# KiCad board traffic_paradise.kicad_pcb (continued)
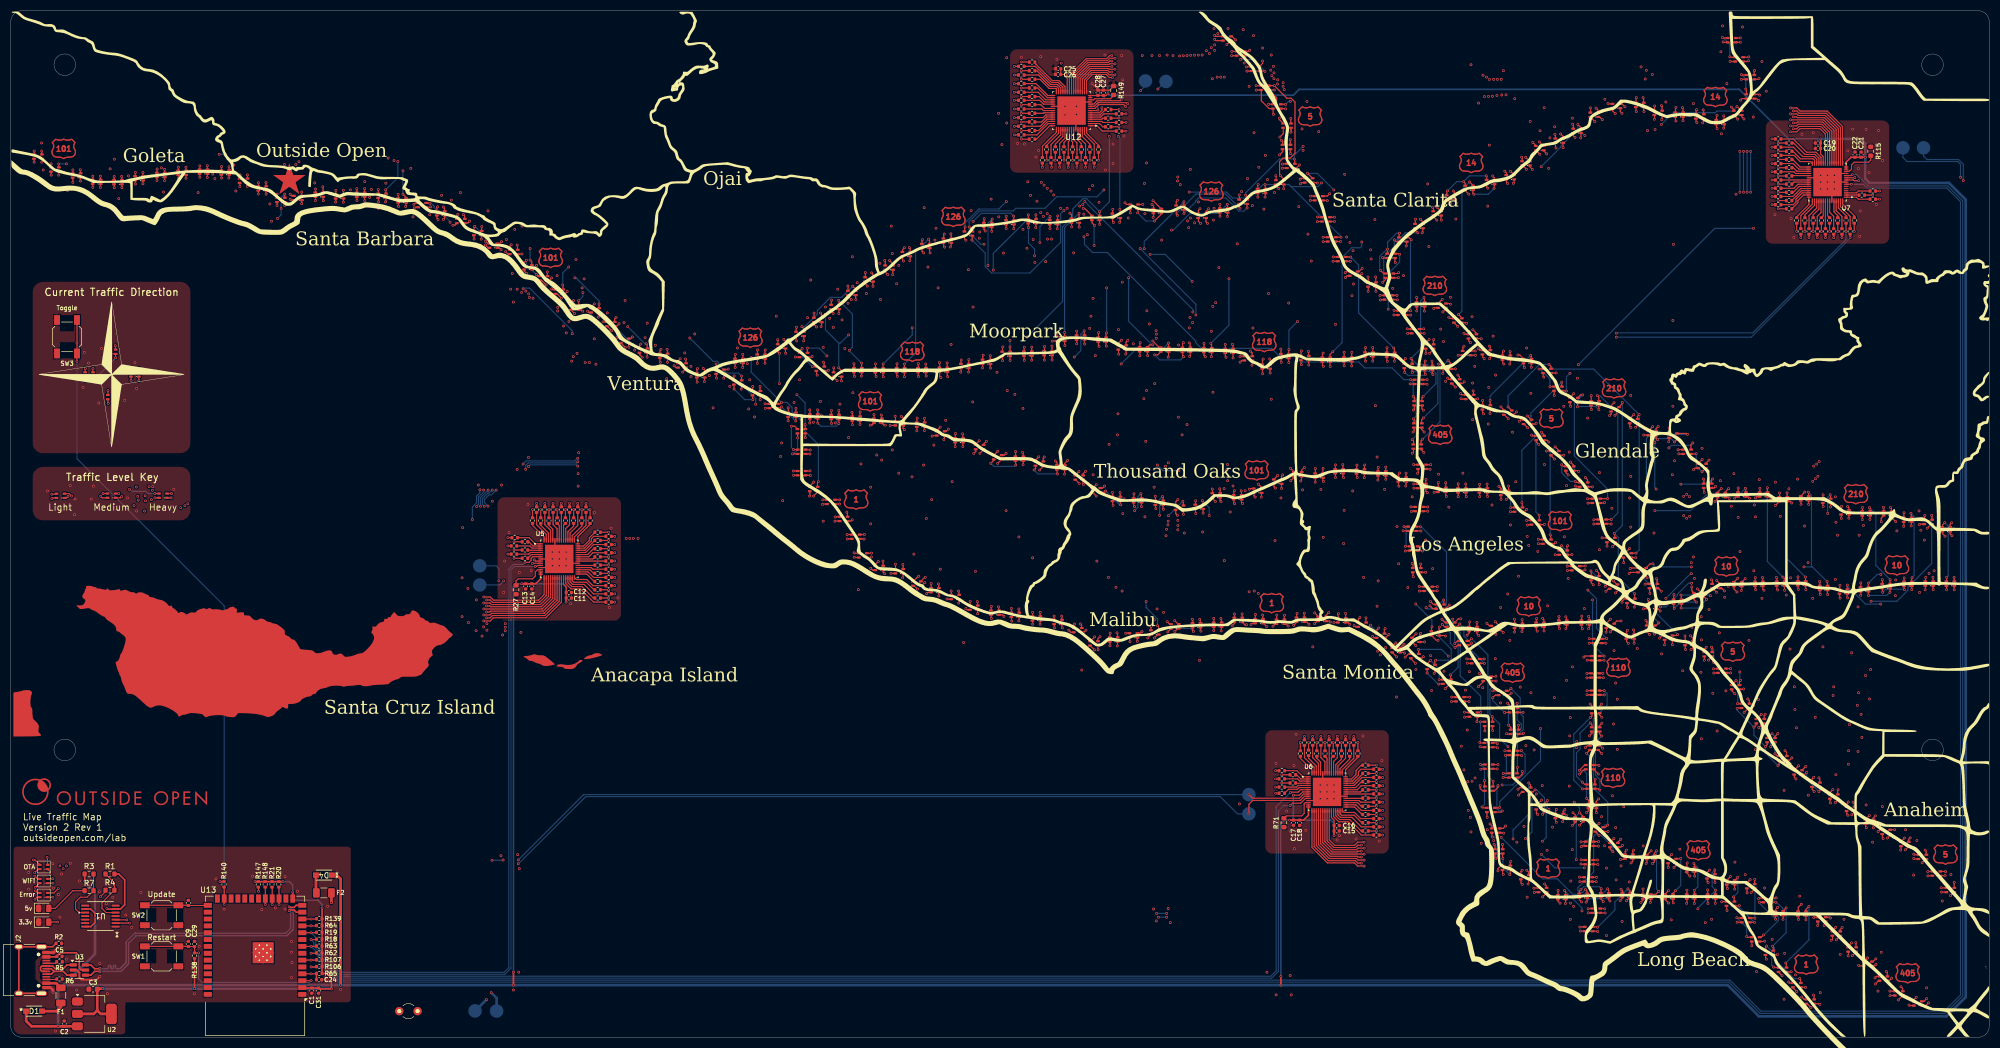
[diagram p0: board, top side]
## Routing (per net, layer and track width the routed paths; a pad name or vN(x,y) marks a point on that pad's centre or on a via; arc(x,y) is an arc through that point) (continued)
Net-(LED134-BK): length 144.8
  Top w0.203: v1(172.93,148.88) 172.8,148.75 172.8,148.05 ; 162,143.05 162,143.88 v1(161.9,143.97) ; v1(256.25,134.72) 256.31,134.67 257.01,134.67 ; v1(196.2,152.74) 196.5,152.44 196.5,151.75 ; v1(168.88,147.82) 168.8,147.75 168.8,147.05 ; v1(155.08,139.25) 155.1,139.22 155.1,138.35 ; 148.8,133.35 v1(148.8,134.22) ; v1(192.53,152.15) 192.5,152.12 192.5,151.45 ; 152,135.75 152,136.55 v1(152.08,136.62) ; R161.2 v1(199.1,161.25)
  In1.Cu w0.203: v1(196.2,152.74) 196.2,153.56 197.56,154.92 198.93,154.92 v1(198.96,154.89) ; v1(168.88,147.82) 165.51,144.46 162.39,144.46 v1(161.9,143.97) 161.9,143.34 159.45,140.89 158.71,140.89 158.34,140.52 156.35,140.52 v1(155.08,139.25) 154.7,139.25 v1(152.08,136.62) 151.2,136.62 v1(148.8,134.22)
  In2.Cu w0.203: v1(196.2,152.74) 193.11,152.74 v1(192.53,152.15) ; v1(199.1,161.25) 197.98,160.13 197.98,155.88 v1(198.96,154.89) ; v1(256.25,134.72) 255.68,134.72 255.68,134.72 255.38,134.42 v1(218.98,134.42) ; v1(168.88,147.82) 169.49,148.44 172.49,148.44 v1(172.93,148.88) 173.48,148.33 178.46,148.33 179.29,147.49 180.51,147.49 180.71,147.29 v1(190.64,147.29)
  Bottom w0.203: v1(190.64,147.29) 190.64,150.27 v1(192.53,152.15) ; v1(198.96,154.89) 218.98,134.87 v1(218.98,134.42)
Net-(LED134-GK): length 157.4
  Top w0.203: 192.5,150.65 v1(192.5,149.88) ; v1(173,146.45) 172.8,146.65 172.8,147.25 ; v1(256.23,133.88) 256.23,133.87 257.01,133.87 ; 168.8,146.25 168.8,145.68 v1(169.1,145.38) ; v1(152.35,134.15) 152,134.5 152,134.95 ; 196.5,150.95 196.5,150.22 v1(196.53,150.2) ; v1(162.45,141.35) 162,141.8 162,142.25 ; v1(149.25,131.65) 148.8,132.1 148.8,132.55 ; R160.2 v1(198.3,162.55) ; v1(155.7,136.72) 155.1,137.32 155.1,137.55
  In1.Cu w0.203: v1(188.24,146.24) 191.83,146.24 193.32,147.73 193.32,149.06 v1(192.5,149.88) ; v1(162.45,141.35) 162.45,141.17 159.93,138.65 157.62,138.65 v1(155.7,136.72) 154.93,136.72 v1(152.35,134.15) 151.8,134.15 149.3,131.65 v1(149.25,131.65) ; v1(198.59,154.35) 198.38,154.56 197.71,154.56 196.8,153.65 196.8,150.47 v1(196.53,150.2)
  In2.Cu w0.203: v1(256.23,133.88) v1(219.55,133.88) ; v1(162.45,141.35) 163.24,142.14 165.87,142.14 v1(169.1,145.38) 170.18,146.45 v1(173,146.45) 173.55,147 174.76,147 175.65,146.1 188.1,146.1 v1(188.24,146.24) 188.31,146.17 v1(209.22,146.17) ; v1(198.59,154.35) 197.43,155.51 197.43,160.45 198.3,161.33 v1(198.3,162.55) ; v1(192.5,149.88) 192.99,150.36 196.36,150.36 v1(196.53,150.2)
  Bottom w0.203: v1(209.22,146.17) 219.55,135.85 v1(219.55,133.88)
Net-(LED134-RK): length 152.6
  Top w0.203: 153.4,134.95 v1(153.4,134.12) ; 174.2,147.25 174.2,146.65 v1(174.03,146.47) ; v1(197.93,150.15) 197.9,150.18 197.9,150.95 ; v1(150.1,131.7) 150.2,131.8 150.2,132.55 ; 258.41,133.87 259.33,133.87 v1(259.35,133.85) ; 170.2,146.25 170.2,145.47 v1(170.3,145.38) ; R159.2 v1(197.5,161.25) ; 156.5,137.55 156.5,136.78 v1(156.55,136.72) ; 193.9,150.65 193.9,149.9 v1(193.85,149.85) ; 163.4,142.25 163.4,141.35 v1(163.38,141.32)
  In1.Cu w0.203: v1(198,154.05) 197.39,153.44 197.39,150.69 v1(197.93,150.15) ; v1(150.1,131.7) 150.98,131.7 v1(153.4,134.12) 153.95,134.12 v1(156.55,136.72) 158.78,136.72 v1(163.38,141.32) ; v1(218.46,133.42) 218.42,133.45 210.25,133.45 v1(193.85,149.85) 193.85,147.73 v1(189.72,143.6)
  In2.Cu w0.203: v1(189.72,143.6) 176.9,143.6 v1(174.03,146.47) 172.9,145.35 170.33,145.35 v1(170.3,145.38) 166.25,141.32 v1(163.38,141.32) ; v1(197.93,150.15) 197.46,149.69 194.01,149.69 v1(193.85,149.85) ; v1(259.35,133.85) 258.84,133.34 218.53,133.34 v1(218.46,133.42) ; v1(198,154.05) 197.06,154.99 197.06,160.81 v1(197.5,161.25)
Net-(LED135-BK): length 196.9
  Top w0.203: 259.55,131.26 258.71,131.26 v1(258.68,131.3) ; 184.4,151.45 v1(184.4,152.18) ; 259.85,109.88 259.85,110.5 v1(259.6,110.75) ; 260.72,106.12 259.91,106.12 v1(259.88,106.15) ; 260.11,121.87 259.33,121.87 v1(259.32,121.88) ; v1(142.08,129.28) 142.1,129.25 142.1,128.45 ; 260.01,117.9 260.01,118.59 v1(259.8,118.8) ; v1(259.85,114.62) 259.96,114.52 259.96,113.79 ; 180.3,150.95 180.3,151.7 v1(180.33,151.72) ; R158.2 v1(201.5,162.55)
  In1.Cu w0.203: v1(259.6,110.75) 260.17,110.18 260.17,106.44 v1(259.88,106.15) ; v1(258.68,131.3) 258.22,130.84 258.22,126.75 258.88,126.09 258.88,125.35 260.21,124.02 260.21,122.76 v1(259.32,121.88) ; v1(184.4,152.18) 183.94,152.64 181.24,152.64 v1(180.33,151.72) 170.88,151.72 165.99,146.84 162.69,146.84 157.28,141.43 154.56,141.43 142.69,129.56 142.69,129.28 v1(142.08,129.28)
  In2.Cu w0.203: v1(201.5,162.55) 201.5,161.33 199.07,158.89 199.07,156.54 200.2,155.4 200.2,150.25 198.4,148.45 185.13,148.45 183.6,149.98 183.6,151.38 v1(184.4,152.18) ; 198.7,148.75 198.8,148.65 v1(198.8,148.36)
  Bottom w0.203: v1(198.8,148.36) 198.9,148.26 198.9,146.95 200.4,145.45 203.12,145.45 219.5,129.07 219.5,128.75 220.7,127.55 225.7,127.55 225.84,127.69 233.56,127.69 235.1,126.15 238.3,126.15 239.3,125.15 249.7,125.15 250.8,124.05 255.9,124.05 258.07,121.88 v1(259.32,121.88) 259.8,121.4 v1(259.8,118.8) 260.35,118.25 260.35,115.12 v1(259.85,114.62) 260.34,114.14 260.34,111.49 v1(259.6,110.75)
Net-(LED135-GK): length 246.5
  Top w0.203: v1(259.23,121.1) 259.26,121.07 260.11,121.07 ; 259.85,109.08 259.85,108.48 v1(259.62,108.25) ; 260.72,105.32 260.72,104.64 v1(260.6,104.53) ; 184.4,150.65 v1(184.4,149.9) ; 259.96,112.99 259.96,112.35 v1(259.77,112.18) ; 259.55,130.46 258.79,130.46 v1(258.77,130.45) ; 260.01,117.1 260.01,116.43 v1(259.82,116.25) ; 142.1,127.65 142.1,127.05 v1(142.38,126.78) ; v1(180.51,149.44) 180.3,149.65 180.3,150.15 ; R157.2 v1(200.7,161.25)
  In1.Cu w0.203: v1(216.29,114.92) 216.29,116.75 v1(211.91,121.14) ; v1(260.6,104.53) 259.29,105.84 259.29,107.91 v1(259.62,108.25) 259.05,108.82 259.05,111.45 v1(259.77,112.18) 260.37,112.77 260.37,115.7 v1(259.82,116.25) 259.23,116.85 v1(259.23,121.1) 259.36,121.1 260.57,122.32 260.57,128.65 v1(258.77,130.45) ; v1(142.38,126.78) 144.05,128.45 160.1,128.45 171.42,139.77 171.83,139.77 180.51,148.45 v1(180.51,149.44) 180.97,149.9 v1(184.4,149.9)
  In2.Cu w0.203: v1(216.29,114.92) 257.03,114.92 v1(259.77,112.18) ; v1(184.4,149.9) 185.49,148.81 198.25,148.81 199.84,150.4 199.84,155.25 198.7,156.39 198.7,159.25 v1(200.7,161.25) ; v1(211.91,121.14) v1(142.38,121.14)
  Bottom w0.203: v1(142.38,126.78) v1(142.38,121.14)
Net-(LED135-RK): length 230
  Top w0.203: 260.95,130.46 261.81,130.46 v1(261.82,130.45) ; R156.2 v1(199.9,162.55) ; 261.41,117.1 261.41,116.49 v1(261.68,116.23) ; 261.51,121.07 262.33,121.07 v1(262.38,121.03) ; 262.12,105.32 262.86,105.32 v1(262.93,105.25) ; 185.8,150.65 v1(185.8,149.85) ; v1(143.55,126.78) 143.5,126.83 143.5,127.65 ; 261.25,109.08 261.25,108.9 v1(261.77,108.38) ; v1(261.82,112.18) 261.36,112.65 261.36,112.99 ; v1(181.73,149.38) 181.7,149.4 181.7,150.15
  In1.Cu w0.203: 261.94,108.38 261.94,106.23 v1(262.93,105.25) ; 261.94,108.38 v1(261.77,108.38) ; 261.94,108.38 262.11,108.54 262.11,111.89 v1(261.82,112.18) 261.15,112.85 261.15,115.7 v1(261.68,116.23) 262.38,116.93 v1(262.38,121.03) 261.1,122.3 261.1,129.72 v1(261.82,130.45) ; v1(184.59,119.86) 184.59,128.19 184.86,128.46 185.24,128.46 186.55,129.78 186.55,148.49 185.8,149.24 v1(185.8,149.85) 185.33,149.38 v1(181.73,149.38) 181.33,149.38 180.88,148.93 180.88,148.3 171.98,139.4 171.57,139.4 158.96,126.79 143.57,126.79 v1(143.55,126.78) ; v1(210.4,119.86) 216.98,113.28 v1(216.98,111.64)
  In2.Cu w0.203: v1(199.9,162.55) 199.9,160.96 198.34,159.4 198.34,156.24 199.47,155.1 199.47,150.55 198.1,149.18 186.47,149.18 v1(185.8,149.85) ; v1(210.4,119.86) v1(184.59,119.86) ; v1(261.82,112.18) 261.29,111.64 v1(216.98,111.64)
Net-(LED136-BK): length 138.4
  Top w0.203: R176.2 v1(185.9,167.25) ; v1(262.02,125.33) 261.94,125.24 261.94,124.46 ; 242.99,125.98 242.99,126.69 v1(243.1,126.8) ; v1(258.35,125.78) 258.18,125.6 258.18,124.81 ; 262.14,128.42 262.14,128.71 v1(262.75,129.32) ; 265.34,124.66 264.59,124.66 v1(264.48,124.78) ; v1(250.98,127.83) 250.91,127.76 250.91,126.95 ; v1(269.2,128.07) 269,127.87 269,127.2 ; 247,126.03 v1(247,126.97) ; 254.93,126.9 254.93,127.78 v1(254.95,127.8)
  In1.Cu w0.203: v1(258.35,125.78) 256.98,125.78 v1(254.95,127.8) ; v1(193.21,156.12) 193.51,155.81 217.09,155.81 218.51,154.39 v1(218.51,151.84) ; v1(264.48,124.78) 262.57,124.78 v1(262.02,125.33) 262.13,125.33 263.35,126.54 263.35,128.72 v1(262.75,129.32) ; v1(247,126.98) 246.41,127.56 243.86,127.56 v1(243.1,126.8)
  In2.Cu w0.203: v1(218.51,151.84) 217.8,151.84 216.7,150.74 216.7,130.85 218,129.55 240.56,129.55 243.1,127.01 v1(243.1,126.8) ; v1(262.75,129.32) 264,128.07 v1(269.2,128.07) ; v1(254.95,127.8) 254.44,127.29 251.51,127.29 v1(250.98,127.83) 247.85,127.83 v1(247,126.98) ; v1(193.21,156.12) 193.28,156.19 193.28,157.83 185.9,165.21 v1(185.9,167.25) ; v1(258.35,125.78) 258.87,125.26 261.96,125.26 v1(262.02,125.33)
Net-(LED136-GK): length 141.2
  Top w0.203: 247,125.23 v1(247,124.45) ; 250.91,126.15 250.91,125.39 v1(251,125.3) ; 262.14,127.62 262.14,126.74 v1(262.15,126.73) ; 254.93,126.1 254.93,125.35 v1(255,125.28) ; 265.34,123.86 265.34,123.11 v1(265.27,123.05) ; 242.99,125.18 242.99,124.51 v1(243.15,124.35) ; 269,126.4 v1(268.13,126.4) ; R175.2 v1(187.2,168.05) ; v1(258.23,123.25) 258.18,123.3 258.18,124.01 ; v1(262.05,122.88) 261.94,122.99 261.94,123.66
  In1.Cu w0.203: 265.27,123.43 265.27,123.55 v1(268.12,126.4) ; 265.27,123.43 v1(265.27,123.05) ; 265.27,123.43 262.6,123.43 ; v1(218,151.31) 218.76,151.31 219.03,151.58 219.03,154.38 217.24,156.18 193.87,156.18 193.21,156.84 v1(192.7,156.84) ; v1(243.15,124.35) 243.67,124.87 246.58,124.87 v1(247,124.45) 247.85,125.3 v1(251,125.3) 251.59,125.89 254.39,125.89 v1(255,125.28) 257.02,123.25 v1(258.23,123.25) ; 262.6,123.43 v1(262.05,122.88) ; 262.6,123.43 261.46,124.56 261.46,126.04 v1(262.15,126.73)
  In2.Cu w0.203: v1(243.15,124.35) 243.61,124.81 243.61,127.01 240.71,129.91 218.15,129.91 217.1,130.96 217.1,150.55 217.86,151.31 v1(218,151.31) ; v1(192.7,156.84) 192.7,157.9 185.39,165.21 185.39,167.46 185.98,168.05 v1(187.2,168.05)
  Bottom w0.203: v1(258.23,123.25) 258.78,122.69 261.87,122.69 v1(262.05,122.88)
Net-(LED136-RK): length 147.9
  Top w0.203: 259.58,124.01 259.58,123.3 v1(259.65,123.23) ; v1(244.43,124.33) 244.39,124.36 244.39,125.18 ; v1(262.82,126.78) 263.54,127.49 263.54,127.62 ; v1(252.3,125.33) 252.31,125.34 252.31,126.15 ; 270.4,126.4 v1(271.32,126.4) ; 263.34,123.66 263.34,122.94 v1(263.45,122.83) ; v1(248.4,124.43) 248.4,125.23 ; R174.2 v1(185.9,168.85) ; 256.33,126.1 v1(256.33,125.3) ; v1(267.6,123.88) 267.59,123.86 266.74,123.86
  In1.Cu w0.203: v1(267.6,123.88) 268.8,123.88 v1(271.32,126.4) ; v1(219.3,150.95) 219.39,151.04 219.39,154.53 217.39,156.54 194.2,156.54 193.39,157.35 v1(192,157.35) ; v1(256.32,125.3) 257.57,125.3 v1(259.65,123.23)
  In2.Cu w0.203: 244.43,125.71 244.43,126.71 240.86,130.28 218.3,130.28 217.5,131.08 217.5,150.44 217.86,150.8 219.15,150.8 v1(219.3,150.95) ; 244.43,125.71 247.11,125.71 v1(248.4,124.43) 251.4,124.43 v1(252.3,125.33) 252.87,124.76 255.78,124.76 v1(256.32,125.3) ; 244.43,125.71 v1(244.43,124.33) ; v1(185.9,168.85) 185.03,167.98 185.03,165.06 192,158.09 v1(192,157.35) ; v1(271.32,126.4) 270.75,126.97 263.02,126.97 v1(262.82,126.78) ; v1(267.6,123.88) 264.5,123.88 v1(263.45,122.83)
  Bottom w0.203: v1(263.45,122.83) 262.83,123.44 259.87,123.44 v1(259.65,123.23)
Net-(LED145-BK): length 173.8
  Top w0.203: 241.67,104.49 241.67,105.39 v1(241.68,105.4) ; v1(253.32,105.62) 253.3,105.6 253.3,104.9 ; v1(237.08,105.45) 237.7,104.82 237.7,104.75 ; 249.34,105.26 249.34,106.01 v1(249.38,106.05) ; 260.72,102.56 259.91,102.56 v1(259.9,102.55) ; v1(257.27,104.58) 257.06,104.36 257.06,103.78 ; v1(245.4,106.08) 245.38,106.05 245.38,105.31 ; 111.25,86.75 v1(111.89,86.75) ; 234,103.38 234,103.42 v1(234.7,104.12) ; 230.29,101.7 229.55,101.7 v1(229.43,101.58)
  In1.Cu w0.203: v1(214.4,95.65) 214.88,95.17 215.57,95.17 v1(216.2,95.8) ; v1(237.08,105.45) 236.03,105.45 v1(234.7,104.12) 232.15,101.58 v1(229.43,101.58) ; v1(253.32,105.62) 253.15,105.45 249.98,105.45 v1(249.38,106.05) 248.93,105.6 245.87,105.6 v1(245.4,106.08) 242.35,106.08 v1(241.68,105.4) ; v1(259.9,102.55) 259.3,102.55 v1(257.27,104.58)
  In2.Cu w0.203: v1(241.68,105.4) 241.31,105.03 237.49,105.03 v1(237.08,105.45) ; v1(216.2,95.8) 216.34,95.65 227.41,95.65 229.43,97.67 v1(229.43,101.58) ; v1(214.4,95.65) 192.44,95.65 187.51,90.72 171.5,90.72 165.41,84.64 160.35,84.64 156.9,88.09 155.65,88.09 154.1,89.63 114.78,89.63 v1(111.89,86.75) ; v1(257.27,104.58) 254.38,104.58 v1(253.32,105.62)
Net-(LED145-GK): length 174.2
  Top w0.203: v1(245.4,103.75) 245.38,103.77 245.38,104.51 ; R47.2 v1(110.74,85.98) ; 257.06,102.98 257.06,102.24 v1(257.15,102.15) ; 237.7,103.95 237.7,103.73 v1(237.12,103.15) ; 253.3,104.1 253.3,103.33 v1(253.25,103.28) ; v1(249.43,103.75) 249.34,103.84 249.34,104.46 ; v1(234.28,101.78) 234,102.05 234,102.58 ; 241.67,103.69 241.67,102.89 v1(241.65,102.88) ; 230.29,100.9 230.29,100.36 v1(230.53,100.12) ; 260.72,101.76 259.94,101.76 v1(259.93,101.78)
  In1.Cu w0.203: v1(230.53,100.12) 231.09,100.69 233.19,100.69 v1(234.28,101.78) 235.65,103.15 v1(237.12,103.15) ; v1(241.65,102.88) 242.02,102.5 244.15,102.5 v1(245.4,103.75) 245.95,103.2 248.87,103.2 v1(249.43,103.75) 249.99,103.18 253.16,103.18 v1(253.25,103.28) ; v1(216.2,94.85) 216.16,94.81 214.52,94.81 v1(214.37,94.96) ; v1(257.15,102.15) 257.72,101.58 259.73,101.58 v1(259.93,101.78)
  In2.Cu w0.203: v1(241.65,102.88) 240.52,104 237.98,104 v1(237.12,103.15) ; v1(110.74,85.98) 112.26,85.98 115.55,89.27 153.95,89.27 155.5,87.72 156.75,87.72 160.2,84.28 165.56,84.28 171.65,90.36 187.66,90.36 192.59,95.29 214.04,95.29 v1(214.37,94.96) ; v1(216.2,94.85) 216.2,94.95 216.54,95.29 227.56,95.29 230.53,98.25 v1(230.53,100.12) ; v1(253.25,103.28) 254.38,102.15 v1(257.15,102.15)
Net-(LED145-RK): length 174.4
  Top w0.203: 235.4,102.58 235.4,101.73 v1(235.4,101.73) ; 231.69,100.9 231.69,100.14 v1(231.65,100.1) ; 250.74,104.46 250.74,103.71 v1(250.73,103.7) ; v1(243.18,103.03) 243.07,103.13 243.07,103.69 ; v1(254.73,103.43) 254.7,103.45 254.7,104.1 ; 258.46,102.98 258.46,102.21 v1(258.43,102.18) ; v1(246.9,103.73) 246.78,103.85 246.78,104.51 ; 262.12,101.76 262.12,101.23 v1(262.43,100.93) ; 111.25,85.22 v1(111.89,85.22) ; v1(238.98,103.1) 239.1,103.23 239.1,103.95
  In1.Cu w0.203: v1(258.43,102.18) 257.18,103.43 v1(254.73,103.43) ; v1(246.9,103.73) 247.49,104.31 250.11,104.31 v1(250.73,103.7) ; v1(214.1,94.15) 214.4,94.45 215.8,94.45 v1(216.2,94.05) ; v1(238.98,103.1) 239.3,103.43 242.77,103.43 v1(243.18,103.03)
  In2.Cu w0.203: v1(258.43,102.18) 259.68,100.93 v1(262.43,100.93) ; v1(250.73,103.7) 251.22,104.19 253.96,104.19 v1(254.73,103.43) ; v1(238.98,103.1) 237.6,101.73 v1(235.4,101.73) 233.78,100.1 v1(231.65,100.1) 231.65,98.86 227.71,94.92 217.07,94.92 v1(216.2,94.05) ; v1(214.1,94.15) 213.33,94.92 192.74,94.92 187.81,90 171.8,90 165.71,83.91 160.05,83.91 156.6,87.36 155.35,87.36 153.8,88.91 115.95,88.91 112.26,85.22 v1(111.89,85.22) ; v1(246.9,103.73) 246.2,103.03 v1(243.18,103.03)
Net-(LED154-BK): length 117
  Top w0.203: 234.5,77.42 234.5,78.23 v1(234.53,78.25) ; v1(230.58,78.35) 230.54,78.32 230.54,77.52 ; 259.4,71.05 258.91,71.05 v1(258.31,70.44) ; v1(241.55,78.65) 242.23,77.97 242.23,77.93 ; 253.05,74.83 253.05,75.5 v1(253.4,75.85) ; v1(256.57,73.08) 255.94,72.44 255.94,72.13 ; 245.88,77.67 245.88,78.43 v1(245.95,78.5) ; v1(249.93,77.78) 249.64,77.49 249.64,76.86 ; v1(238.28,78.58) 238.21,78.51 238.21,77.77 ; v1(234.31,45.22) R70.2
  In1.Cu w0.203: v1(230.35,82.7) 230.35,78.58 v1(230.58,78.35) ; v1(258.31,70.44) 258.23,70.44 256.57,72.1 v1(256.57,73.08) 256.12,73.08 253.4,75.79 v1(253.4,75.85) 252.04,77.21 250.49,77.21 v1(249.93,77.78)
  In2.Cu w0.203: 234.53,78.79 238.06,78.79 v1(238.28,78.58) 238.82,79.12 241.08,79.12 v1(241.55,78.65) 242.06,78.14 245.95,78.14 ; 234.53,78.79 231.02,78.79 v1(230.58,78.35) ; 234.53,78.79 v1(234.53,78.25) ; v1(230.35,82.7) 229.9,83.15 218.1,83.15 216.38,81.43 216.38,74.2 213.66,71.48 213.66,51.09 218.18,46.57 232.98,46.57 234.31,45.24 v1(234.31,45.22) ; 245.95,78.14 v1(245.95,78.5) ; 245.95,78.14 246.31,77.78 v1(249.93,77.78)
Net-(LED154-GK): length 117.9
  Top w0.203: v1(260.2,69.3) 259.4,70.1 259.4,70.25 ; v1(248.85,76.28) 249.07,76.06 249.64,76.06 ; v1(256.73,70.5) 255.94,71.28 255.94,71.33 ; v1(229.75,76.5) 229.97,76.72 230.54,76.72 ; v1(233.83,76.2) 234.24,76.62 234.5,76.62 ; v1(237.65,76.35) 238.21,76.91 238.21,76.97 ; 245.88,76.87 245.11,76.87 v1(245.11,76.87) ; 253.05,74.03 252.55,74.03 v1(252.28,74.3) ; R69.2 v1(234.31,46.36) ; 242.23,77.12 242,77.12 v1(241.53,76.65)
  In1.Cu w0.203: v1(229.4,82.55) 229.75,82.2 v1(229.75,76.5) ; 248.85,76.02 245.95,76.02 v1(245.11,76.87) 244.6,76.37 241.81,76.37 v1(241.53,76.65) 241.11,77.06 238.37,77.06 v1(237.65,76.35) ; 248.85,76.02 v1(248.85,76.28) ; 248.85,76.02 250.57,74.3 v1(252.28,74.3) 254.25,74.3 256.21,72.34 256.21,71.85 256.73,71.34 v1(256.73,70.5) 257.93,69.3 v1(260.2,69.3)
  In2.Cu w0.203: v1(237.65,76.35) 237.24,76.76 234.38,76.76 v1(233.83,76.2) 233.38,76.65 229.9,76.65 v1(229.75,76.5) ; v1(229.4,82.55) 218.2,82.55 216.75,81.1 216.75,74.05 214.03,71.33 214.03,51.24 218.33,46.94 233.18,46.94 233.75,46.36 v1(234.31,46.36)
Net-(LED154-RK): length 120.6
  Top w0.203: v1(248.05,76.55) 247.73,76.87 247.28,76.87 ; v1(258.2,71.2) 258.07,71.33 257.34,71.33 ; v1(240.5,76.55) 240.08,76.97 239.61,76.97 ; v1(261.68,70.52) 261.4,70.25 260.8,70.25 ; v1(244.45,76.95) 244.28,77.12 243.63,77.12 ; v1(232.68,76.1) 232.06,76.72 231.94,76.72 ; 235.9,76.62 236.23,76.62 v1(236.62,76.23) ; v1(255.3,74.65) 254.68,74.03 254.45,74.03 ; R68.2 v1(235.46,47.12) ; 251.04,76.06 251.56,76.06 v1(251.88,76.38)
  In1.Cu w0.203: 232.41,76.1 233.04,76.72 236.13,76.72 v1(236.62,76.23) 237.06,75.79 239.74,75.79 v1(240.5,76.55) ; 232.41,76.1 v1(232.68,76.1) ; 232.41,76.1 231.39,77.12 231.39,78.46 231.5,78.57 231.5,81.85 v1(231.1,82.25) ; 258.62,71.2 259.29,70.52 v1(261.68,70.52) ; 258.62,71.2 258.62,73.07 257.04,74.65 v1(255.3,74.65) ; 258.62,71.2 v1(258.2,71.2) ; v1(251.88,76.38) 251.41,76.84 248.34,76.84 v1(248.05,76.55)
  In2.Cu w0.203: v1(248.05,76.55) 247.19,77.41 244.91,77.41 v1(244.45,76.95) 244.2,77.2 241.15,77.2 v1(240.5,76.55) ; v1(231.1,82.25) 230.77,81.92 218.27,81.92 217.11,80.76 217.11,73.9 214.39,71.18 214.39,51.39 218.48,47.3 233.58,47.3 233.75,47.12 v1(235.46,47.12)
  Bottom w0.203: v1(251.88,76.38) 253.6,74.65 v1(255.3,74.65)
Net-(LED163-BK): length 250
  Top w0.203: v1(269.2,130.47) 269.38,130.3 270.06,130.3 ; R179.2 v1(185.9,176.75) ; v1(220.3,153.56) 220,153.26 220,152.65 ; v1(260.43,137.12) 260.46,137.09 260.46,136.24 ; 267.37,133.25 266.6,133.25 v1(266.4,133.45) ; 231,157.25 231,157.95 v1(231.08,158.03) ; v1(265.18,136.78) 264.43,136.03 264.43,135.99 ; 224,153.65 224,154.35 v1(223.98,154.38) ; 234.4,158.85 234.4,159.62 v1(234.35,159.68) ; v1(134.23,126.58) 134.2,126.55 134.2,125.75
  In1.Cu w0.203: v1(224.8,177.95) 224.8,179.22 222.7,181.31 220.71,181.31 v1(219.99,182.04) ; v1(223.98,154.38) 224.53,154.38 228.18,158.03 v1(231.08,158.03) 232.73,159.68 v1(234.35,159.68) 235.53,158.5 236.54,158.5 238.3,156.73 240.74,156.73 243.61,153.86 243.61,148.28 245.49,146.4 245.49,144.82 247.3,143.01 253.63,143.01 259.52,137.12 v1(260.43,137.12) 261,137.7 264.25,137.7 v1(265.18,136.78) 265.18,135.97 266.4,134.75 v1(266.4,133.45) ; v1(134.23,126.58) 135.09,126.58 135.09,126.79 138.45,130.15 142.19,130.15 154.19,142.16 156.59,142.16 162,147.56 165.4,147.56 170.29,152.45 179.81,152.45 180.73,153.37 183.7,153.37 185.03,154.69 185.03,175.88 v1(185.9,176.75)
  In2.Cu w0.203: v1(234.35,159.68) 234.35,167.23 224.8,176.78 v1(224.8,177.95) ; v1(269.2,130.47) 269.2,131.37 267.8,132.77 267.08,132.77 v1(266.4,133.45) ; v1(185.9,176.75) 183.72,178.93 179.05,178.93 177.38,180.6 177.38,182.8 178.96,184.38 217.65,184.38 v1(219.99,182.04) ; v1(223.98,154.38) 221.11,154.38 v1(220.3,153.56)
Net-(LED163-GK): length 255.1
  Top w0.203: v1(231.03,155.72) 231,155.75 231,156.45 ; 267.37,132.45 267.37,132.43 v1(268.05,131.75) ; 270.06,129.5 270.06,129.09 v1(270.4,128.75) ; v1(220.4,150.85) 220,151.25 220,151.85 ; 188.69,177.55 v1(187.2,177.55) ; 224,152.85 v1(224,152.18) ; v1(260.45,134.62) 260.46,134.64 260.46,135.44 ; 134.2,124.95 v1(134.2,124.15) ; 264.43,135.19 263.71,135.19 v1(263.6,135.07) ; 234.4,158.05 234.4,157.8 v1(234.9,157.3)
  In1.Cu w0.203: v1(134.2,124.15) 139.84,129.79 142.34,129.79 154.34,141.79 156.74,141.79 162.15,147.2 165.55,147.2 170.44,152.09 179.96,152.09 180.88,153 183.85,153 185.39,154.54 185.39,170.66 186.69,171.96 186.69,176.16 186.99,176.46 187.2,176.46 v1(187.2,177.55) ; v1(224.14,177.95) 224.14,179.36 222.55,180.95 220.35,180.95 v1(219.28,182.03) ; v1(268.05,131.75) 268.71,131.75 270.4,130.06 v1(270.4,128.75) ; v1(220.4,150.85) 221.73,152.18 v1(224,152.18) 226.66,154.84 230.14,154.84 v1(231.03,155.72) 232.6,157.3 v1(234.9,157.3) 235.4,157.8 236.02,157.8 236.71,157.11 236.71,150.58 251.78,135.51 259.56,135.51 v1(260.45,134.62) 260.99,135.17 263.51,135.17 v1(263.6,135.07)
  In2.Cu w0.203: v1(187.2,177.55) 185.9,177.55 184.15,179.3 179.2,179.3 177.75,180.75 177.75,182.65 179.11,184.02 217.29,184.02 v1(219.28,182.03) ; v1(234.9,157.3) 233.84,158.36 233.84,167.23 224.14,176.92 v1(224.14,177.95) ; v1(268.05,131.75) 266.93,131.75 v1(263.6,135.07)
Net-(LED163-RK): length 272.7
  Top w0.203: R177.2 v1(185.9,178.35) ; 225.4,152.85 225.4,152.18 v1(225.38,152.15) ; v1(232.35,155.72) 232.4,155.78 232.4,156.45 ; 271.46,129.5 272.35,129.5 v1(272.4,129.45) ; 221.4,151.85 221.4,151.15 v1(221.7,150.85) ; 135.6,124.95 135.6,124.18 v1(135.58,124.15) ; 268.77,132.45 269.58,132.45 v1(269.7,132.32) ; v1(261.88,134.6) 261.86,134.61 261.86,135.44 ; 235.8,158.05 v1(235.8,157.28) ; v1(265.3,134.43) 265.82,134.95 265.82,135.19
  In1.Cu w0.203: 217.86,140.26 v1(222.67,135.45) ; 217.86,140.26 217.86,147.01 v1(221.7,150.85) 224.08,150.85 v1(225.38,152.15) 228.78,152.15 v1(232.35,155.72) 234.25,155.72 v1(235.8,157.28) ; 217.86,140.26 216.08,140.26 v1(210.46,134.64) ; v1(218.56,182.01) 219.99,180.59 222.4,180.59 223.48,179.51 v1(223.48,177.95) ; v1(272.4,129.45) 272.4,130.32 270.39,132.32 v1(269.7,132.32) ; v1(261.88,134.6) 262.05,134.43 v1(265.3,134.43)
  In2.Cu w0.203: v1(265.3,134.43) 266.41,134.43 267.56,133.27 268.76,133.27 v1(269.7,132.32) ; v1(223.48,177.95) 223.48,177.07 233.48,167.07 233.48,156.85 v1(232.35,155.72) ; v1(222.67,135.45) 261.02,135.45 v1(261.88,134.6) ; v1(218.56,182.01) 216.93,183.65 179.26,183.65 178.11,182.5 178.11,180.9 179.35,179.66 184.59,179.66 v1(185.9,178.35) ; v1(210.46,134.64) 158.24,134.64 149.24,125.64 148.64,125.64 146.94,123.95 135.78,123.95 v1(135.58,124.15)
Net-(LED167-BK): length 186
  Top w0.203: 350.68,96.31 350.68,97.16 v1(350.73,97.2) ; R130.2 v1(339.98,149.36) ; 358.61,84.48 358.61,85.23 v1(358.62,85.25) ; v1(285.12,120.55) 285.17,120.6 285.91,120.6 ; 354.7,84.48 354.7,85.17 v1(354.75,85.23) ; 276.36,126.34 276.36,126.99 v1(276.55,127.18) ; v1(279.2,126.45) 279.55,126.45 280.27,125.73 ; v1(283.1,123.85) 283.15,123.9 283.88,123.9 ; v1(271.85,127.6) 272.1,127.35 272.65,127.35 ; v1(358.27,95.38) 357.85,94.95 357.85,94.54
  In1.Cu w0.203: 279.2,126.25 277.48,126.25 v1(276.55,127.18) ; 279.2,126.25 279.2,126.05 280.11,125.14 281.81,125.14 v1(283.1,123.85) ; 279.2,126.25 v1(279.2,126.45) ; v1(358.27,95.38) 358.14,95.51 352.41,95.51 v1(350.73,97.2)
  In2.Cu w0.203: v1(271.85,127.6) 272.88,128.63 275.1,128.63 v1(276.55,127.18) 279.87,130.5 v1(297.42,130.5) ; v1(350.73,97.2) 350.08,97.84 349.81,97.84 ; v1(354.75,85.23) 355.3,84.68 358.05,84.68 v1(358.62,85.25) ; v1(339.98,149.36) 339.98,148.25 338.01,146.28 338.01,146.28 337.99,146.26 337.99,110.71 337.99,110.7 337.99,106.9 346.15,98.74 348.91,98.74 349.81,97.84 ; 349.81,97.84 350.7,96.95
  Bottom w0.203: v1(285.12,120.55) 285.12,122 283.27,123.85 v1(283.1,123.85) ; v1(339.98,149.36) 339.98,147.83 322.7,130.55 297.48,130.55 v1(297.42,130.5) ; v1(358.62,85.25) 358.9,85.52 358.9,94.75 v1(358.27,95.38)
Net-(LED167-GK): length 189.1
  Top w0.203: v1(280.4,124.12) 280.27,124.25 280.27,124.93 ; v1(354.62,82.93) 354.7,83 354.7,83.68 ; v1(284,122.35) 283.88,122.47 283.88,123.1 ; v1(358.33,92.88) 357.85,93.35 357.85,93.74 ; 350.68,95.51 350.68,94.73 v1(350.65,94.7) ; 358.61,83.68 358.61,82.96 v1(358.6,82.95) ; 272.66,126.55 272.66,126.07 v1(272.95,125.78) ; v1(285.93,118.95) 285.91,118.96 285.91,119.8 ; R129.2 v1(340.74,148.21) ; 276.36,125.54 276.36,125.01 v1(276.6,124.78)
  In1.Cu w0.203: v1(358.33,92.88) 358.33,86.62 v1(354.62,82.93) 355.14,82.41 358.06,82.41 v1(358.6,82.95) ; v1(276.6,124.78) 277.25,124.12 v1(280.4,124.12) 282.18,122.35 v1(284,122.35)
  In2.Cu w0.203: v1(276.6,124.78) 273.95,124.78 v1(272.95,125.78) 273.71,126.53 276.64,126.53 277.15,127.05 277.15,127.26 279.65,129.75 v1(297.42,129.75) ; v1(284,122.35) 284,120.88 v1(285.93,118.95) ; v1(358.33,92.88) 352.48,92.88 v1(350.65,94.7) 351.4,95.45 351.4,97.91 350.21,99.1 346.31,99.1 338.35,107.05 338.35,110.85 338.35,110.86 338.35,145.82 340.74,148.21 v1(340.74,148.21)
  Bottom w0.203: v1(297.42,129.75) 322.42,129.75 340.74,148.08 v1(340.74,148.21)
